# Altium PCB BT612-4.PcbDoc
Units mm, origin at the board's own origin, x right, y up, seen from the top; angles counter-clockwise.
Board outline 56.5 x 23 mm, 2 copper layers (Top Layer, Bottom Layer); 58 components, 46 nets, 211 pads, 204 vias.
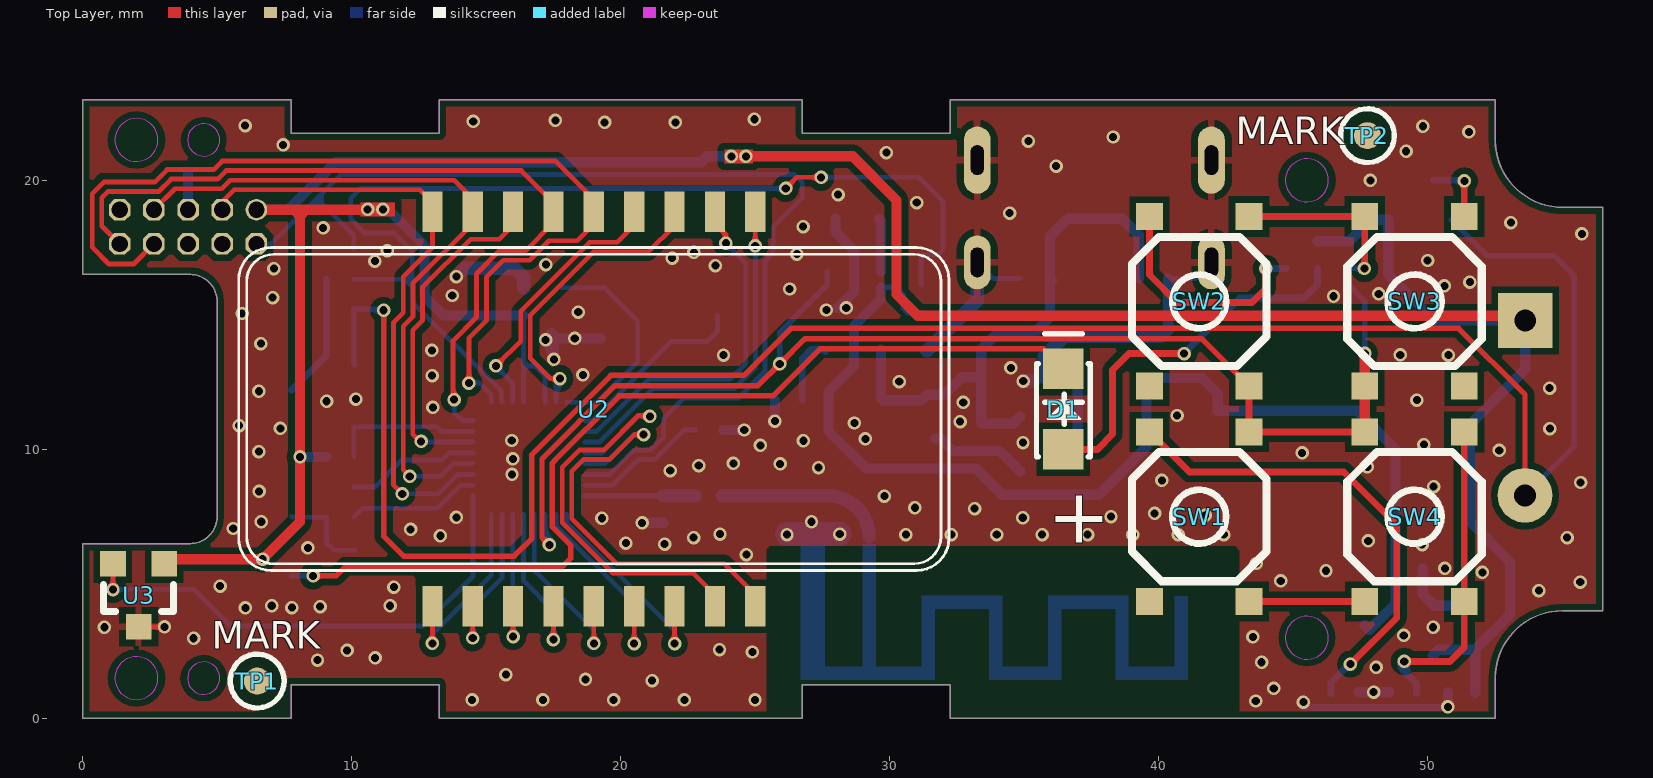
[diagram p0: Top Layer view]
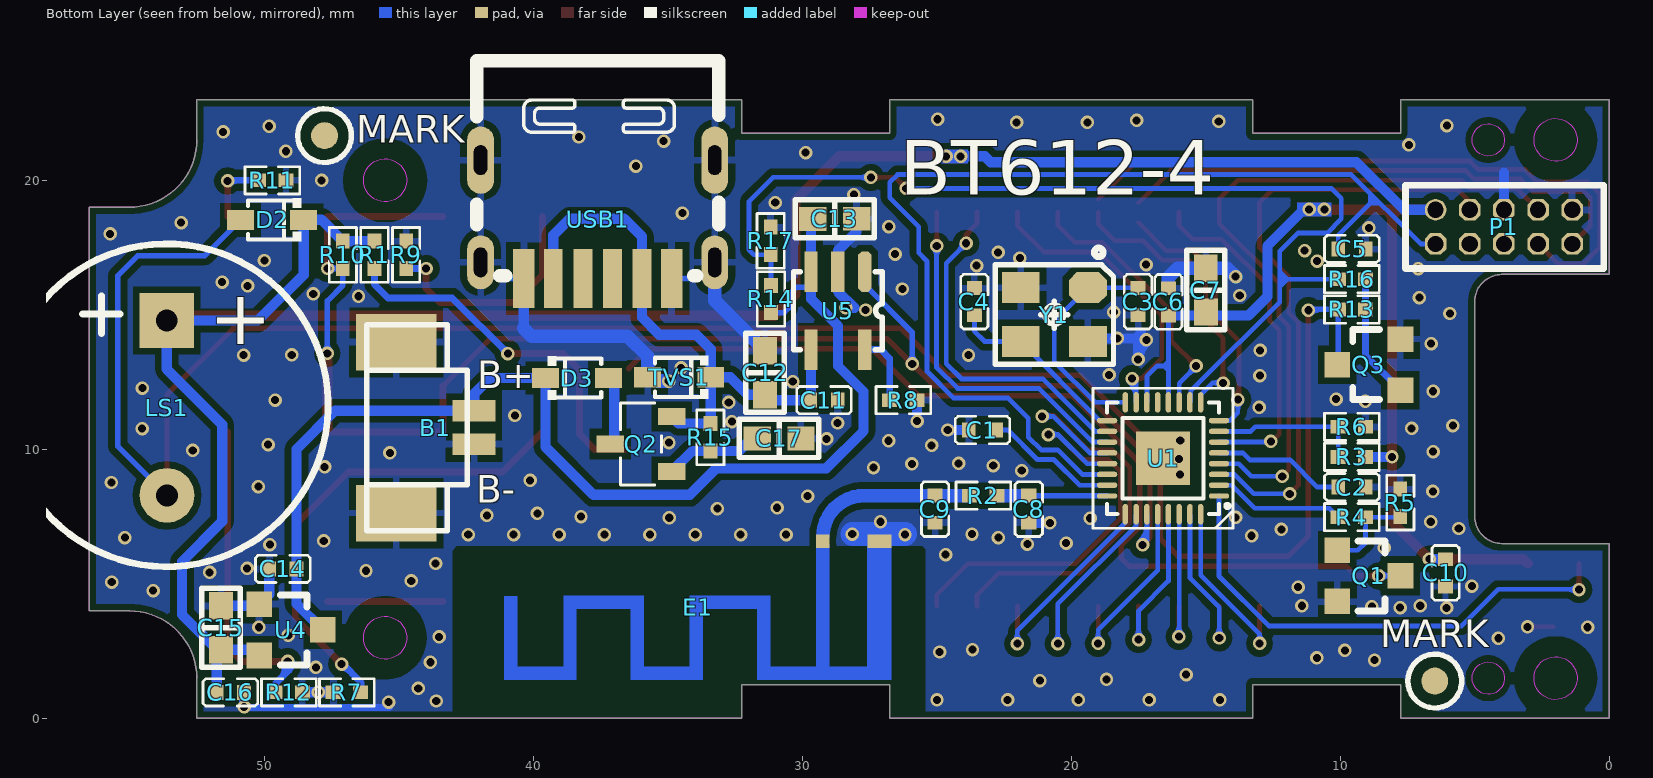
[diagram p1: Bottom Layer view, seen from below]
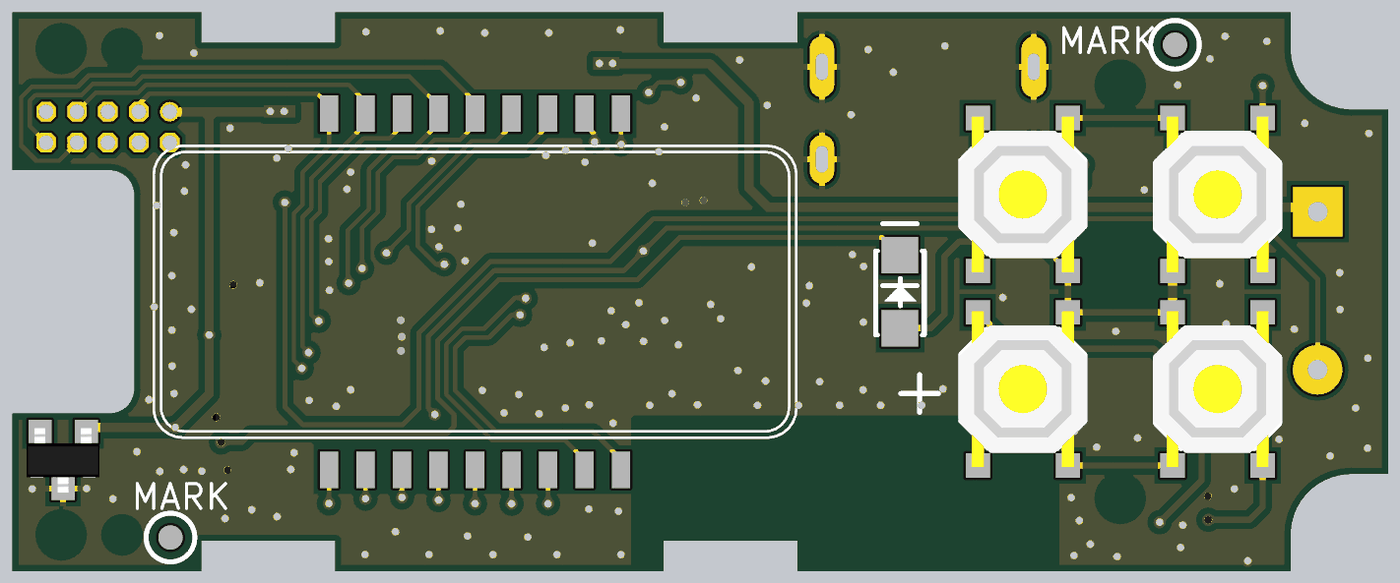
[diagram p2: 3D render of the assembled board from above, using the file's embedded part models]

## Layer stack, top to bottom
Top Layer: signal copper 0.0356
Dielectric: dielectric 0.32, FR-4, Dk 4.8
Bottom Layer: signal copper 0.0356

## Board outline
52.5,0 32.25,0 32.25,1.25 26.75,1.25 26.75,0 13.25,0 13.25,1.25 7.75,1.25 7.75,0 0,0 0,6.5 4,6.5 ccw(c4,7.5) 5,7.5 5,15.5 ccw(c4,15.5) 4,16.5 0,16.5 0,23 7.75,23 7.75,21.75 13.25,21.75 13.25,23 26.75,23 26.75,21.75 32.25,21.75 32.25,23 52.5,23 52.5,21.5 ccw(c55,21.5) 55.012,19 56.5,19 56.5,4 55,4 ccw(c55,1.5) 52.5,1.5

## Design rules (kind name [scope] priority, off if disabled: settings)
Clearance [All] p1: gap=0.178
HoleToHoleClearance [All] p1: gap=0.102 allowstackedmicrovias=TRUE
MinimumSolderMaskSliver [All] p1: minsoldermaskwidth=0.102
PolygonConnect PolygonConnect_1 [All vs IsVia] p1: connectstyle=Direct reliefconductorwidth=0.254 reliefentries=4 polygonreliefangle="90 Angle"
PolygonConnect [All] p2: connectstyle=Relief reliefconductorwidth=0.254 reliefentries=4 polygonreliefangle="90 Angle"
RoutingVias [All] p1: holewidth=0.3 width=0.5 viastyle="Through Hole" minholewidth=0.3 minwidth=0.5 maxholewidth=0.3 maxwidth=0.5
SilkToSilkClearance [All] p1 off: silktosilkclearance=0.003
SilkscreenOverComponentPads SilkToSolderMaskClearance [IsPad] p1 off: minsilkscreentomaskgap=0.025
SolderMaskExpansion [All] p1 off: expansion=0.102
Width Width_1 [All] p1: maxlimit=1.27 minlimit=0.1 preferedwidth=0.178
24 further rules are at their usual default settings.

## Components (designator, comment, footprint, x,y, rotation, side; value= is the part's Value field where it differs from the comment)
B1 "Battery 4.2V" BAT2P-1.25 43.64,10.81 r270 bottom
C1 "104" 0402C 23.3,10.72 r0 bottom
C2 "104" 0402C 9.57,8.6 r0 bottom
C3 "22pF" 0402C 17.52,15.49 r270 bottom
C4 "22pF" 0402C 23.6,15.49 r270 bottom
C5 "104" 0402C 9.57,17.45 r180 bottom
C6 "104" 0402C 16.39,15.48 r90 bottom
C7 "106" 0603-C 15,15.92 r90 bottom
C8 "NC" 0402C 21.58,7.78 r270 bottom
C9 "NC" 0402C 25.06,7.78 r270 bottom
C10 "104" 0402C 6.09,5.412 r270 bottom
C11 "104" 0402C 29.19,11.83 r0 bottom
C12 "106" 0603-C 31.38,12.85 r270 bottom
C13 "106" 0603-C 28.793,18.568 r0 bottom
C14 "104" 0402C 49.3,5.56 r180 bottom
C15 "106" 0603-C 51.6,3.37 r270 bottom
C16 "104" 0402C 51.25,0.97 r0 bottom
C17 "106" 0603-C 30.86,10.41 r0 bottom
D1 "LED3020" LED-3020 36.45,11.5 r270 top
D2 "1N5819" SOD323 49.7,18.53 r0 bottom
D3 "1N5819" SOD323 38.37,12.65 r180 bottom
E1 "Antenna" BT-ANT 29.23,6.58 r180 bottom
LS1 "Bell" BUZZ-12085 53.61,11.54 r180 bottom
P1 "5PX2-1.27mm" SIP5-X2-1.27 3.92,18.27 r180 bottom
Q1 "S8050" SOT23 8.94,5.3 r0 bottom
Q2 "CJ3401" SOT-23-GSD 35.99,10.2 r90 bottom
Q3 "S8050" SOT23 8.94,13.15 r180 bottom
R1 "4.7K" 0402R 45.895,17.23 r90 bottom
R2 "3.6nH" 0402R 23.27,8.28 r180 bottom
R3 "0R" 0402R 9.57,9.72 r0 bottom
R4 "1K" 0402R 9.57,7.48 r0 bottom
R5 "4.7K" 0402R 7.77,8.02 r270 bottom
R6 "0R" 0402R 9.57,10.84 r0 bottom
R7 "4.7K" 0402R 46.92,0.97 r0 bottom
R8 "10K" 0402R 26.24,11.83 r0 bottom
R9 "10K" 0402R 44.72,17.23 r90 bottom
R10 "100K" 0402R 47.07,17.23 r270 bottom
R11 "20K" 0402R 49.69,20 r180 bottom
R12 "30K" 0402R 49.08,0.97 r180 bottom
R13 "4.7K" 0402R 9.57,15.2 r0 bottom
R14 "10M" 0402R 31.16,15.59 r270 bottom
R15 "100K" 0402R 33.41,10.45 r90 bottom
R16 "1K" 0402R 9.57,16.325 r0 bottom
R17 "1M" 0402R 31.17,17.75 r270 bottom
SW1 "Power_key" SW_PB_SMD_4X4 41.5,7.5 r90 top locked
SW2 "Power_key" SW_PB_SMD_4X4 41.5,15.5 r90 top locked
SW3 "Power_key" SW_PB_SMD_4X4 49.5,15.5 r270 top
SW4 "Power_key" SW_PB_SMD_4X4 49.5,7.5 r270 top
TP1 "MARK" MARK 6.49,1.39 r0 top
TP2 "MARK" MARK 47.75,21.66 r0 top
TVS1 "TVS" SOD323 34.57,12.68 r0 bottom
U1 "PHY6222" QFN32-4*4 16.59,9.67 r0 bottom
U2 "DY10550-TTA_1" GTES505液晶屏 13,4.175 r90 top locked
U3 "SV229" SOT23-3 2.08,4.58 r180 top
U4 "XC6206P302" SOT23 49,3.29 r0 bottom
U5 "SV4054" SOT23-5 28.673,15.158 r0 bottom
USB1 "TYPE-C 6P" "TYPE-C 6P" 37.6,18.55 r180 bottom locked
Y1 "16MHZ" JZ-3225 20.63,15.01 r270 bottom

## Footprints (in the part's own frame and the unit in brackets; to place one, negate y for a bottom-side part, rotate by r counter-clockwise, add the part's x,y. Pads: shape width x height; smd on the part's side, far side on the other; paste and mask are expansions set on the pad)
0402C [mil]
  rect 20x22 smd: 1(-20,0) 2(20,0)
  silkscreen extent -40,-20 40,20
0402R [mil]
  rect 22x20 smd: 1(-20,0) 2(20,0)
  silkscreen extent -40,-20 40,20
0603-C [mil]
  rect 40x35 smd: 1(-32.09,-0.07) 2(32.09,0.07)
  silkscreen extent -58,-28 58,28, body extent -51,-19 52,20, height 35
BAT2P-1.25 [mm]
  rect 0.8x1.6 smd: 1(-0.625,1.45) 2(0.625,1.45)
  rect 2.1x3 smd: 3(-3.175,-1.45) 4(3.175,-1.45)
  silkscreen extent -3.82,-2.55 3.83,1.2
BT-ANT [mm]
  rect 0.5x0.5 smd: 1(0,0)
  rect 0.9x0.5 smd: 2(2.1,0)
  rect 0.5x0.5 on Bottom Solder: ""(-11.6,-4.9) ""(-11.59,-2.29) ""(-9.4,-4.9) ""(-9.4,-2.26) ""(-6.9,-2.26) ""(-6.9,-4.9) ""(-4.7,-4.9) ""(-4.7,-2.26) ""(-2.2,-4.9) ""(-2.2,-2.26) ""(0,-4.4) ""(2.3,-4.9)
  Top Layer region: -6.651,-2.01 -6.651,-5.15 -7.151,-5.15 -7.151,-2.01
  Top Layer region: -4.448,-4.649 -4.448,-5.149 -7.149,-5.149 -7.149,-4.649
  Top Layer region: -4.449,-2.011 -4.449,-5.151 -4.95,-5.151 -4.95,-2.011
  Top Layer region: -1.951,-2.018 -1.951,-2.518 -4.951,-2.518 -4.951,-2.018
  Top Layer region: 2.544,0.253 2.544,-5.147 1.645,-5.147 1.645,0.253
  Top Layer region: 0.251,-0.092 0.251,-4.9 -0.25,-4.9 -0.25,-0.092
  Top Layer region: -1.951,-2.013 -1.951,-5.153 -2.451,-5.153 -2.451,-2.013
  Top Layer region: -9.149,-2.01 -9.149,-5.15 -9.649,-5.15 -9.649,-2.01
  Top Layer region: -9.649,-2.509 -9.649,-2.009 -6.948,-2.009 -6.948,-2.509
  Top Layer region: -9.15,-4.651 -9.15,-5.15 -11.85,-5.15 -11.85,-4.651
  Top Layer region: -11.347,-2.022 -11.347,-5.152 -11.847,-5.152 -11.847,-2.022
  Top Layer lines w0.5: 2.3,-4.9 -2.2,-4.9
BUZZ-12085 [mil]
  rect 80x80 hole 32: 1(-0.16,127.95)
  round 80 hole 32: 2(0.16,-127.95)
  silkscreen extent -236,-232 236,240, body extent -236,-233 236,237, height 354
GTES505液晶屏 [mm]
  rect 1.5x0.75 smd: 1(0,0) 2(0,-1.5) 3(0,-3) 4(0,-4.5) 5(0,-6) 6(0,-7.5) 7(0,-9) 8(0,-10.5) 9(0,-12) 10(14.65,-12) 11(14.65,-10.5) 12(14.65,-9) 13(14.65,-7.5) 14(14.65,-6) 15(14.65,-4.5) 16(14.65,-3) 17(14.65,-1.5) 18(14.65,0)
  silkscreen extent 1.33,-19.2 13.33,7.2
JZ-3225 [mm]
  oct 1.15x1.4 smd: 1(-1,1.25)
  rect 1.15x1.4 smd: 2(-1,-1.25) 3(1,-1.25) 4(1,1.25)
  silkscreen extent -2.47,-2.2 1.85,2.2
LED-3020 [mm]
  rect 1.5x1.5 smd: 1(1.5,0) 2(-1.5,0)
  silkscreen extent -2.79,-1 1.78,1, body extent -2.36,-0.77 1.84,0.83, height 1
MARK [mm]
  round 1 smd: 1(0,0)
  round 1 smd far side: 1(0,0)
  Top Layer pour cut-out: -1.009,0 -0.974,-0.261 -0.873,-0.504 -0.713,-0.713 -0.504,-0.873 -0.261,-0.974 0,-1.009 0,-1.009 0.261,-0.974 0.504,-0.873 0.713,-0.713 0.873,-0.504 0.974,-0.261 1.009,0 1.009,0 0.974,0.261 0.873,0.504 0.713,0.713 0.504,0.873 0.261,0.974 0,1.009 0,1.009 -0.261,0.974 -0.504,0.873 -0.713,0.713 -0.873,0.504 -0.974,0.261 -1.009,0
  Bottom Layer pour cut-out: 1.009,0 0.974,-0.261 0.873,-0.504 0.713,-0.713 0.504,-0.873 0.261,-0.974 0,-1.009 0,-1.009 -0.261,-0.974 -0.504,-0.873 -0.713,-0.713 -0.873,-0.504 -0.974,-0.261 -1.009,0 -1.009,0 -0.974,0.261 -0.873,0.504 -0.713,0.713 -0.504,0.873 -0.261,0.974 0,1.009 0,1.009 0.261,0.974 0.504,0.873 0.713,0.713 0.873,0.504 0.974,0.261 1.009,0
  silkscreen extent -1,-1 1,1
QFN32-4*4 [mm]
  oval 0.76x0.2 smd: 1(-2.08,1.4) 2(-2.08,1) 3(-2.08,0.6) 4(-2.08,0.2) 5(-2.08,-0.2) 6(-2.08,-0.6) 7(-2.08,-1) 8(-2.08,-1.4) 17(2.08,-1.4) 18(2.08,-1) 19(2.08,-0.6) 20(2.08,-0.2) 21(2.08,0.2) 22(2.08,0.6) 23(2.08,1) 24(2.08,1.4)
  oval 0.2x0.76 smd: 9(-1.4,-2.08) 10(-1,-2.08) 11(-0.6,-2.08) 12(-0.2,-2.08) 13(0.2,-2.08) 14(0.6,-2.08) 15(1,-2.08) 16(1.4,-2.08) 25(1.4,2.08) 26(1,2.08) 27(0.6,2.08) 28(0.2,2.08) 29(-0.2,2.08) 30(-0.6,2.08) 31(-1,2.08) 32(-1.4,2.08)
  rect 2x2 smd: 33(0,0)
  silkscreen extent -2.6,-2.6 2.6,2.6
SIP5-X2-1.27 [mm]
  round 0.8 hole 0.6: 1(-2.54,0.635)
  oct 0.8x0.8 hole 0.6: 2(-2.54,-0.635) 3(-1.27,0.635) 4(-1.27,-0.635) 5(0,0.635) 6(0,-0.635) 7(1.27,0.635) 8(1.27,-0.635) 9(2.54,0.635) 10(2.54,-0.635)
  silkscreen extent -3.66,-1.55 3.71,1.55
SOD323 [mm]
  rect 1x0.75 smd: 1(1.173,0) 2(-1.173,0)
  silkscreen extent -1.08,-0.8 0.9,0.8
SOT23 [mm]
  rect 0.95x0.95 smd: 1(1.175,-0.95) 2(1.175,0.95) 3(-1.175,0)
  silkscreen extent -0.6,-1.3 0.4,1.3, body extent -1.34,-1.5 1.3,1.5, height 1.08
SOT23-3 [mm]
  rect 0.95x0.95 smd: 1(-0.95,-1.175) 2(0,1.175) 3(0.95,-1.175)
  silkscreen extent -1.3,-0.4 1.3,0.6, body extent -1.5,-1.3 1.5,1.34, height 1.08
SOT23-5 [mm]
  oct 0.5x1.5 smd: 1(-1,-1.45)
  rect 0.5x1.5 smd: 2(0,-1.45) 3(1,-1.45) 4(1,1.45) 5(-1,1.45)
  silkscreen extent -1.65,-1.45 1.65,1.45, body extent -1.45,-1.4 1.45,1.4, height 1.2
SOT-23-GSD [mil]
  rect 25x40 smd: D(0,45) G(-40,-45) S(40,-45)
  silkscreen extent -60,-30 60,30
SW_PB_SMD_4X4 [mm]
  rect 1x1 smd: 1(-3.15,-1.85) 1(3.15,-1.85) 2(-3.15,1.85) 2(3.15,1.85)
  silkscreen extent -2.4,-2.5 2.4,2.5, body extent -3.2,-2.63 3.2,2.63, height 1.5
"TYPE-C 6P" [mm]
  oval 1x2 hole 0.5 slot 1.1 at 90 deg: 7(-4.35,-1.6) 7(4.35,-1.6)
  oval 1x2.5 hole 0.5 slot 1.1 at 90 deg: 7(-4.35,2.2) 7(4.35,2.2)
  rect 0.7x2.2 smd: A5(0.55,-2.2) A9(-1.65,-2.2) B5(-0.55,-2.2) B9(1.65,-2.2)
  rect 0.8x2.2 smd: A12(-2.75,-2.2) B12(2.75,-2.2)
  silkscreen extent -4.5,-2.1 4.5,5.9

## Part data
B1: library part Battery, "Multicell Battery"
C1 C2 C3 C4 C5 C6 C7 C8 C9 C10: library part Cap, "Capacitor"
C11 C12 C13 C14 C15 C16 C17: library part CAP, "Capacitor"
D1: library part LED0, "Typical INFRARED GaAs LED"
D2 D3: library part "D Varactor", "Variable Capacitance Diode"
LS1: "Electrical Bell"
P1: library part "Header 5X2", "Header, 5-Pin, Dual row"
Q1 Q3: library part NPN, "NPN Transistor"
Q2: library part P-MOS
R1 R2 R3 R4 R5 R6 R7 R9 R10 R11 R12 R13 R14 R16 R17: library part Res2, "Resistor"
R8 R15: library part Res2, "1%@100mA"
SW1 SW2 SW3 SW4: library part SW-PB, "Switch"
TP1 TP2: library part TP
U3: library part "霍尔44E 938"
Y1: library part X1_1

## Via types
v1: diameter 0.5, hole 0.3, Top Layer to Bottom Layer, tented both sides, 204 vias

## Nets (pads, with @x,y where several pads share a name; then routed paths per layer and width w, separated by ;. In a path a pad name is that pad's centre, name@x,y a point inside that pad or via, vN(x,y) a via of type N, cw(c..) or ccw(c..) an arc to the next point about the centre after c; other vN are vias at no path point)
BELL: R14.1 R16.2 R17.2 U1.10 | length 42.1
  Top Layer w0.178: v1(26.131,19.699) 26.543,20.11 v1(27.45,20.11) ; v1@26.131,19.86 ccw(c26.131,20.249) 26.407,19.974 ccw(c26.682,19.699) v1@26.293,19.699 ; v1@27.336,19.996 ccw(c27.061,19.721) 27.061,20.11 ccw(c27.061,20.499) v1@27.336,20.224
  Bottom Layer w0.178: R16.2 12.218,16.325 ; 11.97,16.33 12.253,16.047 ; 15.333,12.397 12.253,15.476 12.253,17.371 11.583,18.04 10.493,18.04 9.963,18.57 9.963,19.29 9.963,19.33 10.331,19.699 v1(26.131,19.699) ; 15.342,12.397 15.557,12.182 15.557,11.783 U1.10 ; v1@26.018,19.585 ccw(c25.743,19.31) 25.743,19.699 ccw(c25.743,20.087) v1@26.018,19.812 ; v1(27.45,20.11) 31.08,20.11 31.98,19.21 31.98,17.42 31.792,17.232 R17.2@31.17,17.232 ; v1@27.564,19.996 cw(c27.839,19.721) 27.839,20.11 cw(c27.839,20.499) v1@27.564,20.224 ; R14.1 R17.2@31.16,17.232
CHRG#KEY: R10.2 SW1.1 SW2.1 SW3.1 SW4.1 U1.27 U5.1 | length 67.9
  Top Layer w0.203: v1(17.35,6.45) 17.074,6.726 17.074,9.648 19.795,12.369 25.099,12.369 v1(25.91,13.18) 26.849,14.119 30.13,14.119 ; v1@25.762,13.18 cw(c25.403,13.18) 25.657,12.927 cw(c25.91,12.673) v1@25.91,13.032 ; v1@25.91,13.328 ccw(c25.91,13.687) 26.163,13.433 ccw(c26.417,13.18) v1@26.058,13.18 ; 29.78,14.119 30.13,14.119 ; SW2.1@43.35,12.35 41.581,14.119 30.13,14.119 ; 17.097,6.703 cw(c16.843,6.45) 17.202,6.45 ccw(c16.843,6.45) 17.097,6.703 ; 17.097,6.703 ccw(c17.35,6.957) 17.35,6.598 cw(c17.35,6.957) 17.097,6.703
  Top Layer w0.254: SW1.1@43.35,4.35 SW4.1@47.65,4.35 ; SW2.1@43.35,12.35 43.35,10.65 SW4.1@47.65,10.65 ; SW2.1@43.35,18.65 47.65,18.65 v1@47.65,16.774 ; v1@47.551,16.809 ccw(c47.312,17.048) 47.65,17.048 ; 47.65,16.99 ccw(c47.906,16.99) v1@47.725,16.809
  Top Layer w0.381: SW4.1@47.65,10.65 47.65,12.35 v1(47.65,13.57)
  Bottom Layer w0.178: U1.27 17.19,6.61 v1(17.35,6.45) ; 17.19,6.796 ccw(c17.696,6.796) 17.338,6.438 cw(c17.696,6.796) 17.19,6.796 ; U1.27@17.19,7.225 ccw(c18.125,7.225) 17.464,6.564 cw(c18.125,7.225) U1.27@17.19,7.225
  Bottom Layer w0.203: v1@25.805,13.285 ccw(c25.552,13.538) 25.91,13.538 ccw(c26.268,13.538) v1@26.015,13.285 ; v1(25.91,13.18) 25.91,14.35 27.673,16.113 U5.1 ; v1@47.533,16.617 ccw(c47.28,16.364) 47.28,16.722 ccw(c47.28,17.08) v1@47.533,16.827 ; v1@47.545,13.675 ccw(c47.292,13.928) 47.65,13.928 ccw(c48.008,13.928) v1@47.755,13.675 ; v1(47.638,16.722) R10.2 47.07,16.1 47.65,15.52 v1(47.65,13.57)
COM1: U1.28 U2.5 | length 9.5
  Top Layer w0.178: v1@19,2.8 U2.5 ; 19,3.179 cw(c18.611,3.179) 18.886,2.904 ccw(c18.611,3.179) 19,3.179 ; 19,3.179 ccw(c19.389,3.179) 19.114,2.904 cw(c19.389,3.179) 19,3.179
  Bottom Layer w0.178: U1.28 16.79,5.5 19,3.29 v1(19,2.79) ; 19,3.179 cw(c18.611,3.179) 18.886,2.904 ccw(c18.611,3.179) 19,3.179 ; 19,3.179 ccw(c19.389,3.179) 19.114,2.904 cw(c19.389,3.179) 19,3.179
COM2: U1.26 U2.6 | length 9.9
  Top Layer w0.178: v1(20.5,2.78) U2.6 ; 20.5,3.169 cw(c20.111,3.169) 20.386,2.894 ccw(c20.111,3.169) 20.5,3.169 ; 20.5,3.169 ccw(c20.889,3.169) 20.614,2.894 cw(c20.889,3.169) 20.5,3.169
  Bottom Layer w0.178: U1.26 17.59,7.17 20.5,4.26 v1(20.5,2.78) ; 20.5,3.169 cw(c20.111,3.169) 20.386,2.894 ccw(c20.111,3.169) 20.5,3.169 ; 20.5,3.169 ccw(c20.889,3.169) 20.614,2.894 cw(c20.889,3.169) 20.5,3.169
COM3: U1.25 U2.7 | length 10.3
  Top Layer w0.178: v1(22,2.78) U2.7 ; 22,3.169 cw(c21.611,3.169) 21.886,2.894 ccw(c21.611,3.169) 22,3.169 ; 22,3.169 ccw(c22.389,3.169) 22.114,2.894 cw(c22.389,3.169) 22,3.169
  Bottom Layer w0.178: U1.25 17.99,7.273 22.01,3.253 v1@22.01,2.79 ; v1@21.886,2.894 ccw(c21.587,3.193) 22.01,3.193 cw(c21.587,3.193) v1@21.886,2.894 ; 22.01,3.145 ccw(c22.365,3.145) 22.114,2.894 cw(c22.365,3.145) 22.01,3.145
COM4: U1.20 U2.8 | length 18
  Top Layer w0.178: v1@21.05,11.26 20.651,11.26 ; U2.8 23.5,4.59 22.696,5.394 19.706,5.394 17.824,7.276 17.824,9.337 18.462,9.976 19.367,9.976 20.651,11.26 ; 20.651,11.26 cw(c20.651,10.845) 20.96,11.122 ccw(c20.651,10.845) 20.651,11.26 ; 20.764,11.26 ccw(c20.764,11.547) 20.966,11.344 cw(c20.764,11.547) 20.764,11.26
  Bottom Layer w0.178: U1.20 19.31,9.87 20.67,11.23 v1(21.08,11.23) ; v1@20.966,11.116 ccw(c20.691,10.841) 20.691,11.23 ccw(c20.691,11.619) v1@20.966,11.344
COM5: U1.21 U2.9 | length 17.6
  Top Layer w0.178: v1(20.85,10.55) 20.51,10.55 ; U2.9 25,4.6 23.85,5.75 19.853,5.75 18.179,7.424 18.179,9.19 18.61,9.62 19.58,9.62 20.51,10.55 ; 20.51,10.55 cw(c20.51,10.272) 20.725,10.448 ccw(c20.51,10.272) 20.51,10.55 ; 20.51,10.55 ccw(c20.51,10.828) 20.725,10.652 cw(c20.51,10.828) 20.51,10.55
  Bottom Layer w0.178: U1.21 19.413,9.47 20.493,10.55 ; v1@20.729,10.443 ccw(c20.493,10.235) 20.493,10.55 ; v1@20.729,10.657 cw(c20.493,10.865) 20.493,10.55 ; v1(20.85,10.55) 20.493,10.55
GND: B1.2 B1.3 B1.4 C1.2 C2.1 C3.2 C4.1 C5.2 C6.2 C7.2 C8.2 C9.2 C10.2 C11.1 C12.1 C13.1 C14.1 C15.1 C16.1 C17.1 E1.2 P1.5 P1.9 Q1.2 Q3.2 R5.1 R6.1 R7.2 R8.1 R9.2 R11.2 R12.2 R17.1 TVS1.1 U1.33 U3.2 U4.1 U5.2 USB1.7 USB1.A12 USB1.B12 Y1.2 Y1.4 | length 45.2
  Top Layer w0.178: U3.2 v1(3.045,3.405) ; 2.656,3.405 cw(c2.656,3.016) 2.931,3.291 ccw(c2.656,3.016) 2.656,3.405 ; 2.656,3.405 ccw(c2.656,3.794) 2.931,3.519 cw(c2.656,3.794) 2.656,3.405
  Bottom Layer w0.178: USB1.7@33.25,16.95 33.85,16.35 USB1.B12 ; USB1.A12 41.35,16.35 USB1.7@41.95,16.95
  Bottom Layer w0.254: v1@45.34,0.411 50.721,0.411 v1(50.74,0.43)
  Bottom Layer w0.381: P1.5 3.92,20.29 ; v1@17.172,14.024 cw(c16.557,13.285) v1@17.518,13.285 ; 17.416,14.317 cw(c17.234,14.098) 17.518,14.098 ; v1(17.518,13.348) 17.518,14.125 v1(18.29,14.125) Y1.4@19.265,14.125 ; v1(20.798,7.272) C8.2 ; C1.2 v1(24.59,10.72) ; v1(25.732,11.048) R8.1 ; C13.1 27.978,18.082 28.673,17.387 U5.2 28.673,15.863 28.07,15.26 v1(28.38,15.26) ; 40.35,14.497 USB1.A12 ; R7.2 R12.2 ; C14.1 49.808,4.607 U4.1 50.23,4.185 C15.1 ; v1@50.742,0.448 C16.1 ; v1@17.252,14.028 cw(c17.486,13.794) 17.486,14.125 ccw(c17.486,13.794) v1@17.252,14.028
  Bottom Layer w0.508: v1(13.89,16.42) 14.205,16.735 C7.2 16.055,16.735 16.39,16.4 C6.2 ; C12.1 33.25,15.533 USB1.7@33.25,16.95 ; v1(34.96,12.54) TVS1.1@35.35,12.54 ; TVS1.1 35.743,13.463 36.48,14.2 40.053,14.2 40.35,14.497
  Bottom Layer w0.889: v1@26.171,6.85 v1(28.14,6.85)
  other v1: 45.37,0.61 43.6,0.65 14.48,0.69 17.107,0.69 19.735,0.69 22.363,0.69 24.99,0.69 47.98,0.98 44.27,1.12 21.17,1.41 18.69,1.45 15.73,1.63 48.07,1.9 43.82,2.09 8.73,2.17 10.87,2.25 24.89,2.47 9.83,2.53 23.67,2.56 4.13,2.98 43.49,3.03 49.1,3.09 0.81,3.39 50.19,3.39 6.05,4.11 7.78,4.12 8.83,4.16 7.03,4.19 11.43,4.19 54.12,4.75 11.57,4.88 5.11,4.92 55.66,5.07 44.53,5.11 52.02,5.43 46.21,5.49 50.63,5.58 43.62,5.76 24.67,6.09 8.37,6.34 49.78,6.46 21.63,6.48 20.19,6.52 47.78,6.6 22.71,6.72 55.17,6.72 13.3,6.79 26.18,6.83 30.6,6.83 32.287,6.83 33.974,6.83 35.661,6.83 37.349,6.83 39.036,6.83 40.723,6.83 42.41,6.83 23.69,6.85 12.19,7.03 5.6,7.06 6.64,7.31 27.09,7.31 19.3,7.44 34.94,7.46 13.89,7.47 38.22,7.5 41.72,7.55 39.84,7.62 33.15,7.8 30.93,7.83 29.8,8.26 6.56,8.44 50.21,8.62 55.67,8.77 40.11,8.85 15.96,9.07 21.84,9.21 27.35,9.32 47.75,9.35 22.9,9.4 25.92,9.46 24.19,9.48 15.99,9.65 45.32,9.87 6.55,9.92 52.65,9.96 25.19,10.15 49.85,10.18 34.95,10.25 15.95,10.33 26.79,10.32 29.09,10.39 7.35,10.78 54.53,10.77 5.82,10.88 28.68,10.98 32.61,11.03 40.68,11.26 13.02,11.56 32.73,11.75 9.07,11.79 49.59,11.83 10.16,11.87 6.55,12.16 54.52,12.28 30.35,12.52 12.99,12.74 18.59,12.77 34.5,13.03 23.82,13.5 48.97,13.51 50.76,13.5 12.98,13.68 6.63,13.93 17.21,14.07 5.93,15.05 18.42,15.1 27.64,15.18 7.06,15.64 46.49,15.69 13.74,15.72 48.17,15.78 26.28,15.96 50.61,16.08 51.56,16.22 7.11,16.72 23.52,16.83 17.22,16.87 10.86,17 49.99,17.02 21.91,17.11 26.55,17.26 22.72,17.32 11.33,17.39 55.72,18.01 8.94,18.23 26.78,18.28 53.08,18.43 34.45,18.78 31,19.17 28.08,19.47 47.86,20 36.18,20.53 29.87,21.03 49.19,21.08 7.45,21.32 35.15,21.46 38.3,21.61 51.52,21.8 49.81,22.01 6.04,22.03 19.4,22.15 22.03,22.15 14.52,22.19 17.57,22.23 24.97,22.27
"HALL 1": U1.1 U3.3 | length 21.1
  Top Layer w0.178: v1(1.13,4.79) U3.3 ; 1.13,5.179 cw(c0.741,5.179) 1.016,4.904 ccw(c0.741,5.179) 1.13,5.179 ; 1.13,5.179 ccw(c1.519,5.179) 1.244,4.904 cw(c1.519,5.179) 1.13,5.179
  Bottom Layer w0.178: v1@1.14,4.8 4.13,4.8 5.49,3.44 12.66,3.44 14.51,5.29 U1.1 ; v1@1.244,4.676 cw(c1.543,4.377) 1.543,4.8 ccw(c1.543,4.377) v1@1.244,4.676 ; v1@1.244,4.904 ccw(c1.495,5.155) 1.495,4.8 cw(c1.495,5.155) v1@1.244,4.904
NetC1_1: C1.1 U1.23 | length 5
  Bottom Layer w0.178: U1.23 19.693,8.67 20.647,9.624 21.264,9.624 22.362,10.722 C1.1@22.792,10.722
NetC2_2: C2.2 U1.5 | length 5
  Bottom Layer w0.178: C2.2 10.85,8.6 11.86,9.61 13.36,9.61 13.62,9.87 U1.5
NetC9_1: C9.1 E1.1 R2.1 | length 6.3
  Bottom Layer w0.508: R2.1 27.704,8.28 cw(c27.704,6.754) E1.1@29.23,6.754
NetC17_2: C17.2 Q2.G R15.1 | length 3.7
  Bottom Layer w0.381: C17.2 31.87,10.408 32.336,9.942 R15.1 34.089,9.942 Q2.G
NetD1_1: D1.1 R1.1 | length 14.9
  Top Layer w0.254: D1.1 37.71,10 38.28,10.57 38.28,12.95 38.893,13.563 v1(40.94,13.563) ; v1@40.853,13.476 ccw(c40.643,13.266) 40.643,13.563 ccw(c40.643,13.86) v1@40.853,13.65
  Bottom Layer w0.254: v1(40.94,13.563) 43.007,15.63 45.39,15.63 45.895,16.135 R1.1 ; v1@40.94,13.686 ccw(c40.94,13.983) 41.15,13.773 ccw(c41.36,13.563) v1@41.063,13.563
NetD1_2: D1.2 Q1.3 | length 36.7
  Top Layer w0.203: v1(8.57,5.3) 9.42,5.3 9.774,5.654 17.844,5.654 18.14,5.95 18.14,6.439 17.455,7.124 17.455,9.489 17.546,9.58 ; v1@8.675,5.195 cw(c8.928,4.942) 8.928,5.3 cw(c8.928,5.658) v1@8.675,5.405 ; 17.546,9.582 19.953,11.988 25.66,11.988 27.41,13.738 35.712,13.738 D1.2
  Bottom Layer w0.203: Q1.3 v1(8.57,5.3) ; v1@8.465,5.195 ccw(c8.212,4.942) 8.212,5.3 ccw(c8.212,5.658) v1@8.465,5.405
NetD2_1: D2.1 LS1.2 Q3.3 R13.2 | length 79.3
  Top Layer w0.203: v1(11.19,15.17) 11.19,6.78 11.935,6.035 16.038,6.035 16.693,6.69 16.693,9.806 19.637,12.75 24.58,12.75 26.33,14.5 51.14,14.5 53.606,12.034 LS1.2
  Bottom Layer w0.203: Q3.3 10.078,13.187 R13.2 10.98,15.2 11.01,15.17 v1(11.19,15.17) ; 10.759,15.2 cw(c10.759,14.739) v1@11.085,15.065 ; 10.904,15.2 ccw(c10.904,15.456) v1@11.085,15.275 ; D2.1 52.203,17.2 54.69,17.2 55.44,16.45 55.44,10.124 LS1.2
NetD3_1: D3.1 Q2.D | length 2.4
  Bottom Layer w0.381: Q2.D@36.973,10.22 36.987,10.234 D3.1@36.987,12.65
NetQ1_1: Q1.1 R4.1 R5.2 | length 3.4
  Bottom Layer w0.178: R5.2 7.802,7.48 R4.1 9.062,6.538 9.35,6.25 Q1.1
NetQ3_1: Q3.1 R13.1 R16.1 | length 4.7
  Bottom Layer w0.254: Q3.1 9.062,13.497 R13.1 R16.1
NetR7_1: R7.1 SW1.2 | length 18.7
  Top Layer w0.254: SW1.2@39.65,10.65 41.14,9.16 46.87,9.16 48.84,7.19 48.84,3.74 v1(47.12,2.02) ; v1@47.12,2.143 ccw(c47.12,2.44) 47.33,2.23 ccw(c47.54,2.02) v1@47.243,2.02
  Bottom Layer w0.254: R7.1@46.392,0.93 46.392,1.342 v1@47.11,2.06 ; 46.825,1.775 cw(c47.12,1.479) v1@47.12,1.897
NetR8_2: R8.2 U5.5 | length 2.7
  Bottom Layer w0.254: R8.2 26.748,13.378 27.078,13.708 U5.5 U5.5@27.608,13.643
NetR9_1: R9.1 SW2.2 | length 9.5
  Top Layer w0.254: SW2.2@39.65,18.65 39.65,16.49 40.675,15.465 43.465,15.465 43.978,15.978 v1(43.978,16.722) ; v1@43.891,16.635 cw(c43.681,16.425) 43.978,16.425 cw(c44.275,16.425) v1@44.065,16.635
  Bottom Layer w0.254: v1(43.978,16.722) R9.1 ; v1@44.065,16.635 cw(c44.275,16.425) 44.275,16.722 cw(c44.275,17.019) v1@44.065,16.809
NetR11_1: R11.1 SW3.2 | length 3.2
  Top Layer w0.254: v1@51.263,19.893 cw(c51.053,19.683) 51.35,19.683 cw(c51.647,19.683) v1@51.437,19.893 ; SW3.2@51.35,18.65 v1@51.35,19.94
  Bottom Layer w0.254: R11.1 v1@51.35,20 ; 51.005,20 cw(c51.005,19.635) v1@51.263,19.893
  other v1: 51.35,19.98
NetR12_1: R12.1 SW4.2 | length 14.3
  Top Layer w0.254: v1(49.12,2.12) 50.81,2.12 51.35,2.66 51.35,4.35 SW4.2@51.35,10.65 ; v1@49.207,2.033 cw(c49.417,1.823) 49.417,2.12 cw(c49.417,2.417) v1@49.207,2.207
  Bottom Layer w0.254: v1@48.995,2.159 ccw(c49.351,2.047) 49.087,1.783 ; v1(49.12,2.12) 49.12,1.75 49.568,1.302 R12.1@49.568,0.93 ; v1@49.237,2.083 ccw(c49.801,1.905) 49.383,1.487 ; 49.12,1.823 cw(c49.417,1.823) 49.207,2.033 ccw(c49.417,1.823) 49.12,1.823 ; 49.12,1.823 ccw(c48.823,1.823) 49.033,2.033 cw(c48.823,1.823) 49.12,1.823
PIN1: U1.32 U2.1 | length 9.3
  Top Layer w0.178: v1@13,2.8 U2.1 ; 13,3.179 cw(c12.611,3.179) 12.886,2.904 ccw(c12.611,3.179) 13,3.179 ; 13,3.179 ccw(c13.389,3.179) 13.114,2.904 cw(c13.389,3.179) 13,3.179
  Bottom Layer w0.178: v1(13,2.79) 13,3.137 ; U1.32 15.19,5.327 13,3.137 ; 13,3.137 cw(c12.707,3.137) 12.896,2.913 ccw(c12.707,3.137) 13,3.137 ; 13,3.137 ccw(c13.293,3.137) 13.104,2.913 cw(c13.293,3.137) 13,3.137
PIN2: U1.31 U2.2 | length 8.7
  Top Layer w0.178: v1(14.5,2.99) U2.2 ; 14.5,3.379 cw(c14.111,3.379) 14.386,3.104 ccw(c14.111,3.379) 14.5,3.379 ; 14.5,3.379 ccw(c14.889,3.379) 14.614,3.104 cw(c14.889,3.379) 14.5,3.379
  Bottom Layer w0.178: v1@14.5,3 14.5,4.134 15.59,5.224 U1.31 ; 14.5,3.379 cw(c14.111,3.379) 14.386,3.104 ccw(c14.111,3.379) 14.5,3.379 ; 14.5,3.379 ccw(c14.889,3.379) 14.614,3.104 cw(c14.889,3.379) 14.5,3.379
PIN3: U1.30 U2.3 | length 8.1
  Top Layer w0.178: v1(16,3.04) U2.3 ; U2.3@16,3.429 cw(c15.611,3.429) 15.886,3.154 ccw(c15.611,3.429) U2.3@16,3.429 ; U2.3@16,3.429 ccw(c16.389,3.429) 16.114,3.154 cw(c16.389,3.429) U2.3@16,3.429
  Bottom Layer w0.178: v1@15.99,3.03 U1.30 ; v1@15.886,3.154 ccw(c15.635,3.405) 15.99,3.405 cw(c15.635,3.405) v1@15.886,3.154 ; 15.99,3.453 ccw(c16.413,3.453) 16.114,3.154 cw(c16.413,3.453) 15.99,3.453
PIN4: U1.29 U2.4 | length 8.8
  Top Layer w0.178: v1@17.5,2.94 U2.4 ; 17.5,3.319 cw(c17.111,3.319) 17.386,3.044 ccw(c17.111,3.319) 17.5,3.319 ; 17.5,3.319 ccw(c17.889,3.319) 17.614,3.044 cw(c17.889,3.319) 17.5,3.319
  Bottom Layer w0.178: U1.29 16.39,5.11 17.5,4 v1(17.5,2.93) ; 17.5,3.319 cw(c17.111,3.319) 17.386,3.044 ccw(c17.111,3.319) 17.5,3.319 ; 17.5,3.319 ccw(c17.889,3.319) 17.614,3.044 cw(c17.889,3.319) 17.5,3.319
PIN10: U1.19 U2.10 | length 15.5
  Top Layer w0.178: v1(25,17.56) U2.10 U2.10@25,18.41 ; 25,17.949 cw(c24.611,17.949) 24.886,17.674 ccw(c24.611,17.949) 25,17.949 ; 25,17.949 ccw(c25.389,17.949) 25.114,17.674 cw(c25.389,17.949) 25,17.949
  Bottom Layer w0.178: U1.19 19.207,10.27 21.202,12.264 24.227,12.264 25.006,13.043 25.006,17.554 v1(25,17.56) ; v1@24.886,17.446 cw(c24.598,17.158) 25.006,17.158 ; 25.006,17.185 cw(c25.376,17.185) v1@25.114,17.446
PIN11: U1.18 U2.11 | length 16.5
  Top Layer w0.178: U2.11 23.5,18.4 23.91,17.99 ; v1(23.91,17.66) 23.91,17.99 ; 23.91,17.99 cw(c23.653,17.99) 23.811,17.787 ccw(c23.653,17.99) 23.91,17.99 ; 23.91,17.99 ccw(c24.167,17.99) 24.009,17.787 cw(c24.167,17.99) 23.91,17.99 ; U2.11@23.705,18.195 cw(c23.17,17.66) 23.927,17.66 ccw(c23.17,17.66) U2.11@23.705,18.195
  Bottom Layer w0.178: U1.18 19.104,10.67 21.054,12.62 24.08,12.62 24.65,13.19 24.65,16.92 v1(23.91,17.66) ; 24.185,17.385 cw(c24.46,17.66) 24.071,17.66 ccw(c24.46,17.66) 24.185,17.385 ; 24.185,17.385 ccw(c23.91,17.11) 23.91,17.499 cw(c23.91,17.11) 24.185,17.385
PIN12: U1.15 U2.12 | length 13.3
  Top Layer w0.178: v1(17.74,12.63) 17.39,12.63 ; U2.12 22,18.32 21.02,17.34 18.99,17.34 16.64,14.99 16.64,13.38 17.39,12.63 ; 17.39,12.63 cw(c17.39,12.33) 17.618,12.525 ccw(c17.39,12.33) 17.39,12.63 ; 17.39,12.63 ccw(c17.39,12.93) 17.618,12.735 cw(c17.39,12.93) 17.39,12.63
  Bottom Layer w0.178: U1.15 17.59,12.48 v1(17.74,12.63) ; U1.15@17.59,11.879 cw(c18.491,11.879) v1@17.854,12.516 ; 17.59,12.308 cw(c18.062,12.308) v1@17.728,12.642
PIN13: U1.11 U2.13 | length 11.3
  Top Layer w0.178: v1(15.36,13.1) 16.284,14.024 16.284,15.137 18.843,17.696 19.866,17.696 20.5,18.33 U2.13 ; v1@15.36,13.261 ccw(c15.36,13.65) 15.635,13.375 ccw(c15.91,13.1) v1@15.521,13.1
  Bottom Layer w0.178: v1@15.35,13.09 15.99,12.45 U1.11 ; v1@15.36,12.939 cw(c15.36,12.598) 15.601,12.839 ; v1@15.521,13.1 ccw(c15.958,13.1) 15.649,12.791
PIN14#UART_RX: P1.8 U1.9 U2.14 | length 36.5
  Top Layer w0.178: P1.8 1.905,16.89 0.98,16.89 0.358,17.512 0.358,19.501 0.793,19.936 2.675,19.936 3.14,20.401 4.868,20.401 5.184,20.717 17.583,20.717 U2.14@19,19.3 ; v1@14.246,12.574 ccw(c13.971,12.849) 14.36,12.849 ccw(c14.749,12.849) v1@14.474,12.574 ; v1(14.36,12.46) 14.36,14.127 15.01,14.777 15.01,16.397 15.641,17.028 16.611,17.028 17.334,17.751 18.381,17.751 19,18.37 U2.14
  Bottom Layer w0.178: v1@14.36,12.48 14.746,12.48 ; v1@14.474,12.574 ccw(c14.701,12.801) 14.701,12.48 ; v1@14.484,12.357 cw(c14.746,12.138) 14.746,12.48 ; U1.9 15.19,12.036 14.746,12.48
PIN15#UART_TX: P1.10 U1.8 U2.15 | length 30.9
  Top Layer w0.178: P1.10 0.713,18.302 0.713,19.353 0.94,19.58 2.822,19.58 3.288,20.046 5.016,20.046 5.331,20.361 16.309,20.361 U2.15@17.5,19.17 ; v1@13.696,11.964 ccw(c13.515,12.145) 13.771,12.145 ; v1@13.771,11.889 13.771,14.041 14.64,14.91 14.64,16.53 15.494,17.384 16.464,17.384 U2.15@17.5,18.42 ; 13.771,12.333 ccw(c14.293,12.333) v1@13.924,11.964
  Bottom Layer w0.178: v1@13.696,11.736 cw(c13.421,11.461) 13.81,11.461 cw(c14.199,11.461) v1@13.924,11.736 ; v1(13.81,11.85) 13.81,11.37 14.11,11.07 U1.8
PIN16: U1.6 U2.16 | length 12.8
  Top Layer w0.178: v1@12.569,10.27 12.27,10.57 12.27,14.423 12.632,14.785 12.632,16.019 14.421,17.808 15.478,17.808 16,18.33 U2.16
  Bottom Layer w0.178: v1@12.58,10.27 U1.6
  other v1: 12.58,10.3
PIN17#SWCLK: P1.7 U1.4 U2.17 | length 26.6
  Top Layer w0.178: P1.7 3.435,19.69 5.167,19.69 5.483,20.006 13.814,20.006 14.5,19.32 U2.17 14.5,18.39 12.276,16.166 12.276,14.933 11.914,14.571 11.914,9.24 v1@12.157,8.997
  Bottom Layer w0.178: v1(12.16,9) 13.31,9 13.78,9.47 U1.4
PIN18#SWDIO: P1.3 U1.3 U2.18 | length 23
  Top Layer w0.178: P1.3 5.19,19.21 5.63,19.65 12.53,19.65 13,19.18 U2.18 13,17.495 11.92,16.415 11.92,15.08 11.558,14.718 11.558,8.672 v1(11.88,8.35)
  Bottom Layer w0.178: v1(11.88,8.35) 13.217,8.35 13.937,9.07 U1.3
RF: C8.1 R2.2 U1.24 | length 4.1
  Bottom Layer w0.203: U1.24 C8.1@21.58,8.27
  Bottom Layer w0.508: C8.1@21.59,8.28 R2.2
RST_N: C5.1 P1.2 U1.22 | length 40.8
  Bottom Layer w0.178: P1.2@6.645,17.45 P1.2 7.012,17.635 9.592,20.215 10.345,20.215 26.455,20.215 26.75,19.92 26.75,19.35 25.67,18.27 25.67,17.3 25.361,16.991 25.361,12.895 24.375,11.909 22.342,11.909 21.597,11.163 21.597,10.46 21.117,9.98 20.5,9.98 19.59,9.07 U1.22 ; 8.542,19.155 8.875,19.155 ; 8.703,19.327 10.078,17.952 C5.1
TM: R3.2 R6.2 U1.7 | length 5.6
  Bottom Layer w0.178: R3.2 R6.2 13.165,10.84 13.335,10.67 U1.7
TTA_BL: R4.2 U1.2 | length 4.9
  Bottom Layer w0.178: R4.2 10.408,7.81 13.18,7.81 14.04,8.67 U1.2
V+: C11.2 C12.2 Q2.S R15.2 TVS1.2 U5.4 USB1.A9 USB1.B9 | length 21.8
  Bottom Layer w0.381: U5.4 29.673,11.905 29.748,11.83 31.173,11.83 C12.2 32.025,12.035 32.67,12.68 TVS1.2 ; R15.2@33.397,11.021 TVS1.2 ; R15.2 34.589,10.958 Q2.S ; USB1.B9@36.028,16.272 USB1.B9 ; USB1.A9 39.25,17.96 38.64,18.57 36.62,18.57 35.95,17.9 USB1.B9 ; TVS1.2 33.397,13.727 33.93,14.26 35.31,14.26 35.95,14.9 USB1.B9
VBAT: B1.1 C13.2 C14.2 D3.2 R14.2 U4.3 U5.3 | length 44.6
  Bottom Layer w0.203: U5.3@29.673,16.02 30.222,16.02 30.504,15.738 30.504,15.246 30.668,15.082 R14.2
  Bottom Layer w0.381: C13.2 29.673,18.502 U5.3 ; U5.3@29.673,16.02 29.673,15.593 28.67,14.59 28.67,13.1 27.72,12.15 27.72,10.68 29.106,9.294 33.196,9.294 34.18,8.31 37.76,8.31 39.543,10.093 D3.2 41.61,12.65 42.19,12.07 B1.1 47.365,11.435 48.792,10.008 C14.2 48.792,4.257 U4.3 U4.3@47.655,3.46 ; D3.2@39.333,12.65 D3.2@39.438,12.545
VCC3: C6.1 C7.1 C10.1 C15.2 C16.2 D2.2 LS1.1 P1.1 R1.2 R3.1 R10.1 U1.12 U1.14 U3.1 U4.2 | length 118.9
  Top Layer w0.178: 7.715,18.905 8.08,18.54
  Top Layer w0.381: U3.1 3.195,5.92 v1(6.688,5.92) 8.08,7.312 v1(8.08,9.72) 8.08,18.885 ; P1.1 v1@10.49,18.905 ; v1(24.65,20.89) 28.62,20.89 30.25,19.26 30.25,15.76 31.04,14.97 53.434,14.97 LS1.1
  Bottom Layer w0.178: 16.39,12.86 U1.12 16.39,13.1 ; C6.1@16.39,14.972 16.39,13.1 ; 16.397,12.937 16.56,13.1 ; 16.41,13.245 16.56,13.095 ; U1.14 17.19,12.71 16.8,13.1 16.39,13.1
  Bottom Layer w0.381: C10.1 v1(6.688,5.92) ; P1.1 7.635,18.905 9.402,20.672 22.992,20.672 23.21,20.89 v1(24.11,20.89) v1(24.65,20.89) ; v1(8.08,9.72) R3.1 ; v1@11.04,18.9 11.37,18.9 12.71,17.56 12.71,15.68 13.418,14.972 C6.1 ; R1.2 R10.1 47.862,18.53 D2.2 48.527,16.493 50.23,14.79 LS1.1 53.614,12.984 51.55,10.92 51.55,7.33 53.05,5.83 53.05,3.86 C15.2@51.745,2.555 ; U4.2 50.39,2.555 C15.2 51.758,2.395 C16.2
  other v1: 10.59,18.92 11.16,18.92
XTAL_16M_I: C3.1 U1.16 Y1.1 | length 8.1
  Bottom Layer w0.178: C3.1@17.777,16.01 Y1.1 20.63,14.76 20.63,13.263 19.117,11.75 U1.16
XTAL_16M_O: C4.2 U1.17 Y1.3 | length 6.9
  Bottom Layer w0.178: U1.17 18.94,11.07 Y1.3 23.22,14.01 23.6,14.39 C4.2
pads on no net: E1. P1.4 P1.6 TP1.1 TP2.1 U1.13 USB1.A5 USB1.B5
copper on no net: | length 1.2
  Top Layer w0.178: 8.08,18.54 8.445,18.905
  Bottom Layer w0.178: 8.89,19.18 8.89,19.513 ; 11.97,16.325 12.253,16.608

## Polygon pours and split planes (outlines as drawn)
GND on Top Layer "GND" (solid, remove dead copper, pour order 1000): 0,23 52.5,23 56.5,19 56.5,4 52.5,0 0,0
GND on Bottom Layer "GND" (solid, remove dead copper, pour order 1001): 0,23 52.48,23 56.46,19.02 56.46,4.04 56.46,4.01 52.48,0.03 52.45,0 -0.01,0

## Keep-outs
Keep-Out Layer:
  circle w0.01: c2,21.5 r0.8
  circle w0.01: c2,1.5 r0.8
  circle w0.01: c4.5,1.5 r0.6
  circle w0.01: c4.5,21.5 r0.6
  circle w0.01: c45.5,3 r0.8
  circle w0.01: c45.5,20 r0.8
  lines w0.01: 0,0 7.75,0 7.75,1.25 13.25,1.25 13.25,0 26.75,0 26.75,1.25 32.25,1.25 32.25,0 52.5,0 52.5,1.5 cw(c55,1.5) 55,4 56.5,4 56.5,19 55.012,19 cw(c55,21.5) 52.5,21.5 52.5,23 32.25,23 32.25,21.75 26.75,21.75 26.75,23 13.25,23 13.25,21.75 7.75,21.75 7.75,23 0,23 0,16.5 4,16.5 cw(c4,15.5) 5,15.5 5,7.5 cw(c4,7.5) 4,6.5 0,6.5 0,0

## Other copper
Top Layer:
  region net VCC3: 24.92,21.15 23.85,21.15 23.85,20.63 24.92,20.63
  region net VCC3: 11.61,18.66 11.61,19.18 10.32,19.18 10.32,18.66
  pour cut-out: 25.625,5.175 12.896,5.175 12.37,5.176 12.375,4.654 12.375,3.175 25.625,3.175
  pour cut-out: 25.625,19.825 12.896,19.825 12.37,19.826 12.375,19.304 12.375,17.825 25.625,17.825
  pour cut-out: 25.53,6.41 25.41,6.29 25.41,0 43.01,0 43.01,6.23 42.83,6.41
Bottom Layer:
  rectangle net VCC3: 10.32,18.66 11.61,19.18
  rectangle net VCC3: 23.84,20.63 24.91,21.15
  pour cut-out: 15.05,11.24 18.13,11.24 18.13,8.27 18.127,8.267 15.06,8.267 15.057,8.27
  pour cut-out: 25.53,6.41 25.41,6.29 25.41,0 43.01,0 43.01,6.23 42.83,6.41

## Silkscreen, mask and mechanical layers (free items; w line width, h text height)
Top Overlay:
  text "MARK" at 42.857,21.337 h1.02
  text "+" at 35.87,6.53 h2.03
  text "MARK" at 4.797,2.587 h1.02
Bottom Overlay:
  text "MARK" at 46.577,21.397 h1.02
  text "BT612-4" at 26.37,19.46 h2.03
  text "+" at 52.04,13.9 h2.03
  text "B+" at 42.08,12.28 h1.02
  text "B-" at 42.11,8.01 h1.02
  text "MARK" at 8.517,2.647 h1.02
Bottom Solder:
  rectangle: 25.41,0 43.02,6.41
Mechanical 1:
  circle w0.01: c53.65,14.75 r0.5
  circle w0.01: c53.65,8.25 r0.5
  lines w0.01: 56.5,6.22 ccw(c53.65,11.5) 56.5,16.78
Mechanical 4:
  drawing of 2802 lines, arcs and shapes, not listed

## Text inside footprints (layer, text, board x,y; h text height)
U2: Mechanical 13 "10" at 27.917,18.3 h0.64 r90; Mechanical 13 "18" at 10.701,18.3 h0.64 r90; Mechanical 13 "9" at 27.832,3.588 h0.64 r90; Mechanical 13 "1" at 10.81,3.939 h0.64 r90